# Altium PCB EDA-04211-V4_0_pcb.pcbdoc (part 6 of 12)
Units mm, origin at the board's own origin, x right, y up, seen from the top; angles counter-clockwise.
Board outline 304.8 x 128.5 mm, 14 copper layers (Top Layer, L2, L3GND, L4, L5GND, L6, L7GND, L8, L9GND, L10, L11GND, L12, L13GND, Bottom Layer), stack 4.06 mm thick; 143 components, 1224 nets, 5334 pads, 591 vias.
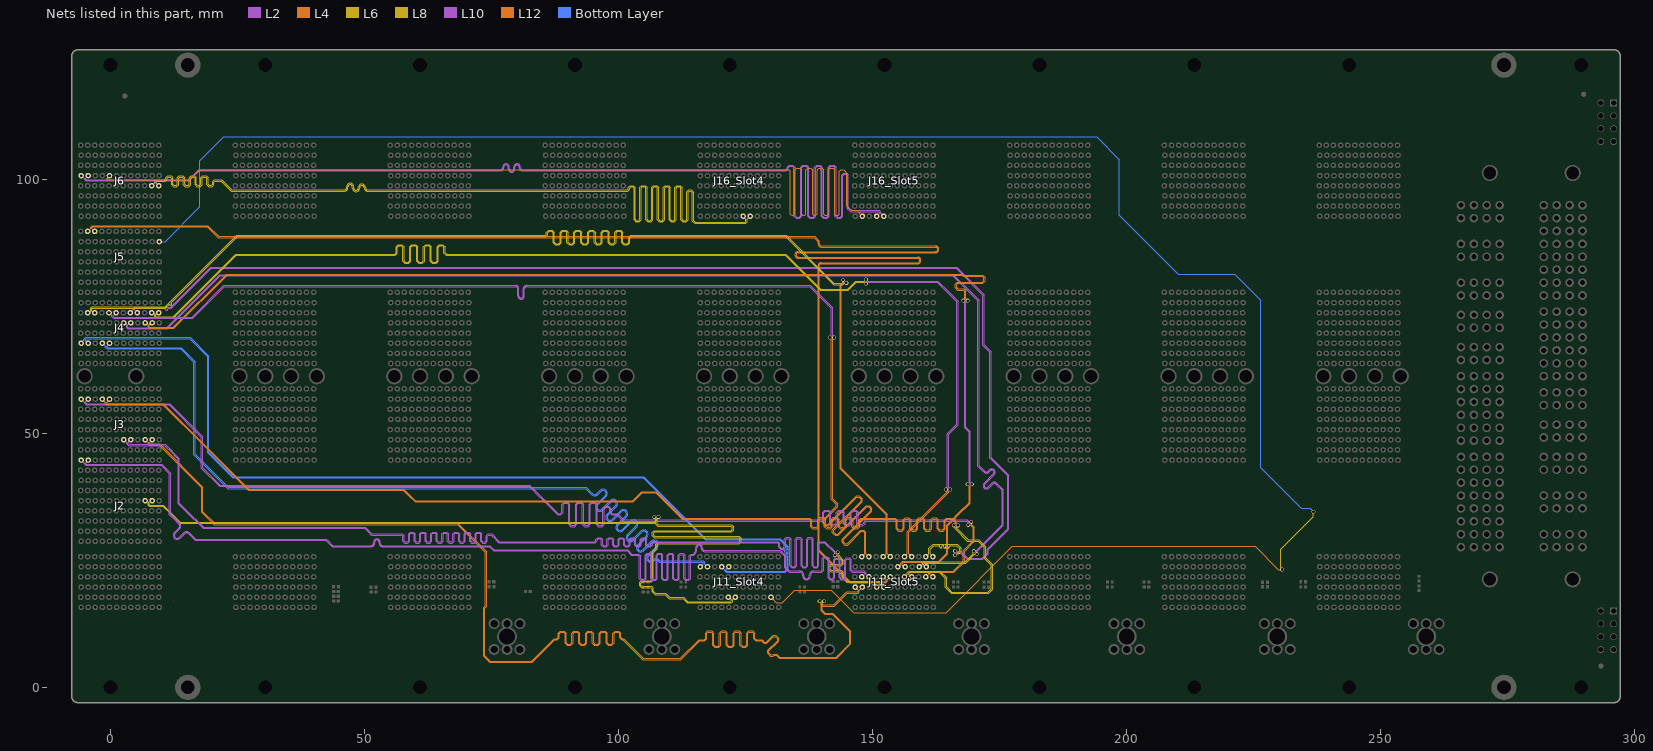
[diagram p18: the nets of this part, all layers, seen from the top]

## Via types
v1: diameter 0.75, hole 0.5, Top Layer to Bottom Layer, tented both sides, 549 vias
v2: diameter 0.85, hole 0.5, Top Layer to Bottom Layer, tented both sides, 32 vias
v3: diameter 1.3, hole 1, Top Layer to Bottom Layer, tented both sides, 10 vias

## Nets (pads, with @x,y where several pads share a name; then routed paths per layer and width w, separated by ;. In a path a pad name is that pad's centre, name@x,y a point inside that pad or via, vN(x,y) a via of type N, cw(c..) or ccw(c..) an arc to the next point about the centre after c; other vN are vias at no path point) (continued)
4_DIFF_14_N: J6.L4 J16_Slot4.H1 | length 205.5
  L8 w0.12: J6.L4@9.52,98.75 8.955,99.315 8.955,99.43 9.144,99.619 10.156,99.619 10.786,99.619 11.164,99.997 11.164,100.237 11.385,100.458 11.826,100.458 12.046,100.237 12.046,98.962 12.425,98.583 13.09,98.583 13.468,98.962 13.468,100.237 13.689,100.458 14.13,100.458 14.35,100.237 14.35,98.962 14.729,98.583 15.394,98.583 15.772,98.962 15.772,100.237 15.993,100.458 16.434,100.458 16.654,100.237 16.654,98.962 17.033,98.583 17.698,98.583 18.076,98.962 18.076,100.237 18.297,100.458 18.738,100.458 18.958,100.237 18.958,98.962 19.337,98.583 20.002,98.583 20.38,98.962 20.38,99.398 20.601,99.619 20.74,99.619 21.808,99.619 23.789,97.637 45.859,97.637 46.054,97.637 ccw(c46.054,98.348) 46.765,98.348 46.765,98.509 cw(c47.206,98.509) 47.647,98.509 47.647,98.285 ccw(c48.358,98.285) 49.069,98.285 49.069,98.348 cw(c49.51,98.348) 49.951,98.348 ccw(c50.662,98.348) 50.662,97.637 52.015,97.637 101.383,97.637 101.54,97.637 101.652,97.637 101.808,97.637 102.186,98.016 102.186,98.291 102.407,98.512 102.848,98.512 103.068,98.291 103.068,92.007 103.447,91.629 104.112,91.629 104.49,92.007 104.49,98.291 104.711,98.512 105.152,98.512 105.372,98.291 105.372,92.007 105.751,91.629 106.415,91.629 106.794,92.007 106.794,98.291 107.014,98.512 107.455,98.512 107.676,98.291 107.676,92.007 108.054,91.629 108.719,91.629 109.097,92.007 109.097,98.291 109.318,98.512 109.759,98.512 109.979,98.291 109.979,92.007 110.358,91.629 111.023,91.629 111.401,92.007 111.401,98.291 111.622,98.512 112.063,98.512 112.283,98.291 112.283,92.007 112.662,91.629 113.326,91.629 113.705,92.007 113.705,97.417 113.925,97.637 114.064,97.637 114.253,97.637 114.54,97.35 114.54,91.777 115.005,91.313 115.104,91.313 125.095,91.313 125.375,91.593 125.375,92.185 J16_Slot4.H1@125.94,92.75
4_DIFF_14_P: J6.K4 J16_Slot4.G1 | length 205.5
  L8 w0.12: J6.K4@8.12,98.75 8.685,99.315 8.685,99.542 9.032,99.889 10.156,99.889 10.674,99.889 10.894,100.109 10.894,100.349 11.273,100.728 11.938,100.728 12.316,100.349 12.316,99.073 12.537,98.853 12.978,98.853 13.198,99.073 13.198,100.349 13.577,100.728 14.242,100.728 14.62,100.349 14.62,99.073 14.841,98.853 15.282,98.853 15.502,99.073 15.502,100.349 15.881,100.728 16.546,100.728 16.924,100.349 16.924,99.073 17.145,98.853 17.586,98.853 17.806,99.073 17.806,100.349 18.185,100.728 18.85,100.728 19.228,100.349 19.228,99.073 19.449,98.853 19.89,98.853 20.11,99.073 20.11,99.51 20.489,99.889 20.74,99.889 21.92,99.889 23.901,97.907 45.859,97.907 46.054,97.907 ccw(c46.054,98.348) 46.495,98.348 46.495,98.509 cw(c47.206,98.509) 47.917,98.509 47.917,98.285 ccw(c48.358,98.285) 48.799,98.285 48.799,98.348 cw(c49.51,98.348) 50.221,98.348 ccw(c50.662,98.348) 50.662,97.907 52.015,97.907 101.272,97.907 101.54,97.907 101.696,97.907 101.917,98.128 101.917,98.403 102.295,98.782 102.96,98.782 103.338,98.403 103.338,92.119 103.559,91.899 104,91.899 104.22,92.119 104.22,98.403 104.599,98.782 105.263,98.782 105.642,98.403 105.642,92.119 105.862,91.899 106.303,91.899 106.524,92.119 106.524,98.403 106.902,98.782 107.567,98.782 107.946,98.403 107.946,92.119 108.166,91.899 108.607,91.899 108.828,92.119 108.828,98.403 109.206,98.782 109.871,98.782 110.249,98.403 110.249,92.119 110.47,91.899 110.911,91.899 111.131,92.119 111.131,98.403 111.51,98.782 112.174,98.782 112.553,98.403 112.553,92.119 112.773,91.899 113.214,91.899 113.435,92.119 113.435,97.529 113.814,97.907 113.953,97.907 114.064,97.907 114.364,97.907 114.81,97.462 114.81,91.889 115.116,91.583 115.216,91.583 124.983,91.583 125.105,91.705 125.105,92.185 J16_Slot4.G1@124.54,92.75
4_DIFF_15_N: J2.K5 J11_Slot4.F2 | length 203.9
  L8 w0.12: v1(107.042,33.564) 107.042,33.47 107.333,33.179 107.333,32.375 107.333,32.124 107.711,31.746 122.213,31.746 122.433,31.525 122.433,31.084 122.213,30.864 107.081,30.864 106.702,30.485 106.702,29.821 107.081,29.442 123.679,29.442 123.899,29.221 123.899,28.78 123.679,28.56 107.711,28.56 107.333,28.181 107.333,27.35 106.631,26.648 106.631,23.669 106.631,21.252 106.411,21.032 104.537,21.032 104.158,20.653 104.158,19.989 104.537,19.61 106.411,19.61 106.631,19.39 106.631,19.25 106.631,18.818 107.203,18.246 109.174,18.246 109.97,17.45 112.743,17.45 113.131,17.061 113.561,16.632 122.211,16.632 122.475,16.896 122.475,17.382 122.843,17.75 J11_Slot4.F2@123.04,17.75
  L6 w0.102: J2.K5@8.22,36.75 7.959,36.75 7.635,36.426 7.635,36.153 7.634,35.935 7.694,35.875 10.438,35.875 13.791,32.523 106.982,32.523 107.353,32.894 107.353,33.213 107.042,33.525 v1(107.042,33.564)
4_DIFF_15_P: J2.J5 J11_Slot4.E2 | length 203.8
  L8 w0.12: v1(107.894,33.564) 107.894,33.47 107.603,33.179 107.603,32.375 107.603,32.236 107.823,32.015 122.324,32.015 122.703,31.637 122.703,30.972 122.324,30.594 107.193,30.594 106.972,30.373 106.972,29.932 107.193,29.712 123.791,29.712 124.169,29.333 124.169,28.669 123.791,28.29 107.823,28.29 107.603,28.07 107.603,27.35 107.603,27.238 106.901,26.537 106.901,23.669 106.901,21.14 106.523,20.762 104.649,20.762 104.428,20.541 104.428,20.1 104.649,19.88 106.523,19.88 106.901,19.501 106.901,19.25 106.901,18.93 107.315,18.516 109.286,18.516 110.082,17.72 112.854,17.72 113.401,17.173 113.673,16.902 122.099,16.902 122.205,17.008 122.205,17.382 121.837,17.75 J11_Slot4.E2@121.64,17.75
  L6 w0.102: J2.J5@6.82,36.75 7.081,36.75 7.406,36.426 7.406,36.248 7.405,35.84 7.599,35.646 10.344,35.646 11.44,34.55 11.602,34.388 13.696,32.294 107.077,32.294 107.582,32.799 107.582,33.213 107.894,33.525 v1(107.894,33.564)
4_MGT_Rx_N: J4.E3 J11_Slot4.B5 | length 185.4
  Bottom Layer w0.15: J4.E3@-0.18,67.75 -0.754,67.176 -0.754,67.067 -0.563,66.876 11.78,66.876 13.902,66.876 16.705,64.072 16.705,45.885 23.24,39.351 26.512,39.351 87.752,39.351 93.699,39.351 94.127,38.924 94.306,38.745 94.942,38.109 ccw(c95.355,38.52) 95.768,38.108 96.412,38.753 ; 96.413,38.753 cw(c97.003,38.163) 97.593,38.754 cw(c97.003,38.163) 97.593,37.573 95.925,35.905 ccw(c96.339,35.494) 96.752,35.083 98.417,36.748 ; 97.931,33.078 cw(c98.344,33.49) 97.93,33.901 99.597,35.568 ccw(c99.008,36.159) 99.598,36.749 ccw(c99.008,36.159) 98.417,36.748 ; 97.932,33.077 ccw(c98.344,33.49) 98.756,33.078 ; 98.757,33.078 100.422,34.743 ; 99.936,31.073 cw(c100.348,31.485) 99.935,31.896 101.602,33.563 ccw(c101.013,34.154) 101.603,34.744 ccw(c101.013,34.154) 100.422,34.744 ; 99.937,31.072 ccw(c100.348,31.485) 100.761,31.073 102.427,32.738 ; 101.94,29.068 cw(c102.353,29.48) 101.94,29.891 103.607,31.558 ccw(c103.018,32.149) 103.608,32.739 ccw(c103.018,32.149) 102.427,32.739 ; 101.941,29.067 ccw(c102.353,29.48) 102.766,29.068 ; 102.766,29.068 104.431,30.734 cw(c105.022,30.144) 105.612,30.734 cw(c105.022,30.144) 105.612,29.554 ; 103.945,27.063 cw(c104.358,27.475) 103.945,27.886 105.612,29.553 ; 103.946,27.062 ccw(c104.358,27.475) 104.771,27.063 106.436,28.729 ; 105.95,25.059 cw(c106.363,25.47) 105.949,25.882 107.617,27.549 ccw(c107.027,28.14) 107.617,28.73 ccw(c107.027,28.14) 106.437,28.729 ; 105.951,25.058 ccw(c106.363,25.47) 106.775,25.059 ; 106.776,25.059 106.793,25.076 cw(c107.384,24.487) 107.935,25.114 107.937,25.114 107.973,25.078 cw(c107.384,24.487) 107.974,25.076 ; 107.974,25.076 108.011,25.04 108.116,24.935 108.125,24.926 116.691,24.926 116.966,24.651 116.966,24.268 117.483,23.75 J11_Slot4.B5@117.54,23.75
4_MGT_Rx_P: J4.D3 J11_Slot4.A5 | length 185.4
  Bottom Layer w0.15: J4.D3@-1.58,67.75 -1.006,67.176 -1.006,66.963 -0.667,66.624 11.78,66.624 13.798,66.624 16.454,63.968 16.454,45.781 23.135,39.1 26.408,39.1 87.752,39.099 93.595,39.1 93.949,38.746 94.091,38.604 ccw(c94.18,38.693) 94.092,38.603 94.764,37.931 ccw(c95.355,38.52) 95.946,37.931 96.592,38.577 cw(c97.003,38.163) 97.414,38.577 ; 95.749,36.085 ccw(c96.339,35.494) 96.93,34.905 98.597,36.572 cw(c99.008,36.159) 99.419,36.572 cw(c99.008,36.159) 99.42,36.571 cw(c99.008,36.159) 99.421,36.57 cw(c99.008,36.159) 99.42,35.746 97.754,34.081 ccw(c98.344,33.49) 97.753,32.899 ccw(c98.344,33.49) 98.934,32.9 ; 95.75,36.085 97.415,37.75 ccw(c97.003,38.163) 97.416,38.575 ccw(c97.003,38.163) 97.415,38.576 ; 98.934,32.9 100.602,34.567 cw(c101.013,34.154) 101.424,34.567 cw(c101.013,34.154) 101.425,34.566 cw(c101.013,34.154) 101.426,34.565 cw(c101.013,34.154) 101.424,33.741 99.759,32.076 ; 99.759,32.075 ccw(c100.348,31.485) 99.758,30.895 ccw(c100.348,31.485) 100.939,30.895 102.606,32.562 cw(c103.018,32.149) 103.429,32.562 cw(c103.018,32.149) 103.43,32.561 cw(c103.018,32.149) 103.431,32.56 cw(c103.018,32.149) 103.429,31.736 ; 102.944,28.89 cw(c102.353,29.48) 101.763,28.89 cw(c102.353,29.48) 101.763,30.07 103.429,31.736 ; 102.944,28.89 104.611,30.558 cw(c105.022,30.144) 105.434,30.557 cw(c105.022,30.144) 105.435,30.557 ; 103.768,28.066 ccw(c104.358,27.475) 103.768,26.885 ccw(c104.358,27.475) 104.949,26.886 106.616,28.553 cw(c107.027,28.14) 107.438,28.553 cw(c107.027,28.14) 107.439,28.552 cw(c107.027,28.14) 107.44,28.551 cw(c107.027,28.14) 107.439,27.727 105.773,26.061 ; 103.769,28.066 105.434,29.731 ccw(c105.022,30.144) 105.435,30.556 ; 105.773,26.061 ccw(c106.363,25.47) 105.773,24.88 ccw(c106.363,25.47) 106.953,24.881 106.971,24.898 cw(c107.384,24.487) 107.797,24.898 107.833,24.862 107.938,24.757 108.021,24.674 116.587,24.674 116.714,24.547 116.714,24.268 116.197,23.75 J11_Slot4.A5@116.14,23.75 ; 97.415,38.576 ccw(c97.003,38.163) 97.414,38.577 ; 105.435,30.556 ccw(c105.022,30.144) 105.435,30.557
4_MGT_Tx_N: J4.B3 J11_Slot4.E5 | length 186.4
  Bottom Layer w0.15: J4.B3@-4.38,67.75 -4.954,68.324 -4.954,68.43 -4.754,68.63 11.983,68.63 15.601,68.631 19.121,65.111 19.121,46.162 24.05,41.233 28.491,41.233 87.447,41.233 104.898,41.233 117.099,29.032 117.202,29.032 131.768,29.032 133.193,27.607 133.193,27.273 133.188,27.229 133.173,27.186 133.15,27.148 133.118,27.117 133.08,27.093 133.038,27.078 132.993,27.073 132.803,27.073 132.758,27.068 132.716,27.053 132.678,27.03 132.646,26.998 132.622,26.96 132.608,26.918 132.603,26.873 132.608,26.829 132.622,26.786 132.646,26.748 132.678,26.717 132.716,26.693 132.758,26.678 132.803,26.673 132.993,26.673 133.038,26.668 133.08,26.653 133.118,26.63 133.15,26.598 133.173,26.56 133.188,26.518 133.193,26.473 133.188,26.429 133.173,26.386 133.15,26.348 133.118,26.317 133.08,26.293 133.038,26.278 132.993,26.273 132.803,26.273 132.758,26.268 132.716,26.253 132.678,26.23 132.646,26.198 132.622,26.16 132.608,26.118 132.603,26.073 132.608,26.029 132.622,25.986 132.646,25.948 132.678,25.917 132.716,25.893 132.758,25.878 132.803,25.873 132.993,25.873 133.038,25.868 133.08,25.853 133.118,25.83 133.15,25.798 133.173,25.76 133.188,25.718 133.193,25.673 133.193,23.317 132.759,22.883 121.357,22.883 121.166,23.074 121.166,23.176 J11_Slot4.E5@121.74,23.75
4_MGT_Tx_P: J4.A3 J11_Slot4.D5 | length 186.4
  Bottom Layer w0.15: J4.A3@-5.78,67.75 -5.206,68.324 -5.206,68.535 -4.858,68.882 11.983,68.882 15.705,68.882 19.372,65.215 19.372,46.266 24.154,41.485 28.595,41.485 87.447,41.485 105.002,41.485 117.203,29.284 131.873,29.284 133.445,27.711 133.445,27.273 133.445,23.213 132.863,22.631 121.253,22.631 120.914,22.97 120.914,23.176 J11_Slot4.D5@120.34,23.75
4_SERVMOD: J5.L5 J11_Slot4.K2 | length 422.6
  L8 w0.102: v1(230.652,23.201) 230.652,23.349 230.353,23.648 230.353,27.139 236.824,33.611 v1(236.824,34.58)
  L12 w0.102: J11_Slot4.K2@130.04,17.75 131.094,16.696 132.275,16.696 134.665,19.086 141.904,19.086 146.301,14.689 164.51,14.689 177.566,27.745 225.343,27.745 229.887,23.201 v1(230.652,23.201)
  Bottom Layer w0.102: J5.L5@9.62,87.75 10.772,87.75 17.62,94.598 17.62,103.65 22.32,108.35 27.42,108.35 194.12,108.35 198.62,103.85 198.62,92.957 210.227,81.35 221.32,81.35 226.477,76.193 226.477,43.2 234.412,35.265 236.139,35.265 v1(236.824,34.58)
5_CLK_N: J5.C6 J11_Slot5.F4 | length 317.9
  L12 w0.102: J5.C6@-3.08,89.75 -3.665,90.336 -3.665,90.442 -3.447,90.661 19.09,90.661 21.222,88.529 138.527,88.529 139.313,87.743 139.313,87.488 139.313,87.323 ccw(c139.974,87.323) 139.974,86.662 162.435,86.662 cw(c162.435,86.23) 162.867,86.23 cw(c162.435,86.23) 162.435,85.798 135.402,85.798 ccw(c135.402,85.137) 134.741,85.137 ccw(c135.402,85.137) 135.402,84.476 158.9,84.476 cw(c158.9,84.044) 159.332,84.044 cw(c158.9,84.044) 158.9,83.612 139.974,83.612 ccw(c139.974,82.951) 139.313,82.951 139.313,81.336 139.313,26.859 145.562,20.61 152.635,20.61 152.934,20.909 152.934,21.164 J11_Slot5.F4@153.52,21.75
5_CLK_P: J5.B6 J11_Slot5.E4 | length 317.9
  L12 w0.102: J5.B6@-4.48,89.75 -3.895,90.336 -3.895,90.537 -3.541,90.89 19.185,90.89 21.317,88.758 138.621,88.758 139.542,87.837 139.542,87.488 139.542,87.323 ccw(c139.974,87.323) 139.974,86.891 162.435,86.891 cw(c162.435,86.23) 163.096,86.23 cw(c162.435,86.23) 162.435,85.569 135.402,85.569 ccw(c135.402,85.137) 134.97,85.137 ccw(c135.402,85.137) 135.402,84.705 158.9,84.705 cw(c158.9,84.044) 159.561,84.044 cw(c158.9,84.044) 158.9,83.383 139.974,83.383 ccw(c139.974,82.951) 139.542,82.951 139.542,81.336 139.542,26.954 145.657,20.839 152.54,20.839 152.705,21.004 152.705,21.164 J11_Slot5.E4@152.12,21.75
5_DIFF_0_N: J3.H3 J11_Slot5.E3 | length 245.3
  L2 w0.102: J3.H3@4.02,48.75 3.434,48.165 3.434,48.063 3.674,47.824 9.418,47.824 10.799,47.823 13.584,45.038 13.584,36.256 14.777,35.063 18.333,31.507 50.16,31.507 51.252,30.414 51.455,30.211 57.056,30.211 57.474,30.211 57.824,29.861 57.824,28.843 58.04,28.627 58.472,28.627 58.688,28.843 58.688,30.22 59.038,30.57 59.66,30.57 60.01,30.22 60.01,28.843 60.226,28.627 60.658,28.627 60.874,28.843 60.874,30.22 61.224,30.57 61.846,30.57 62.196,30.22 62.196,28.843 62.412,28.627 62.844,28.627 63.06,28.843 63.06,30.22 63.41,30.57 64.032,30.57 64.382,30.22 64.382,28.843 64.598,28.627 65.03,28.627 65.246,28.843 65.246,30.22 65.596,30.57 66.218,30.57 66.568,30.22 66.568,28.843 66.784,28.627 67.216,28.627 67.432,28.843 67.432,30.22 67.782,30.57 68.404,30.57 68.754,30.22 68.754,28.843 68.97,28.627 69.402,28.627 69.618,28.843 69.618,30.22 69.968,30.57 70.59,30.57 70.94,30.22 70.94,28.843 71.156,28.627 71.588,28.627 71.804,28.843 71.804,30.22 72.154,30.57 72.776,30.57 73.126,30.22 73.126,28.843 73.342,28.627 73.774,28.627 73.99,28.843 73.99,29.861 74.34,30.211 74.553,30.211 75.071,30.211 76.569,28.713 95.224,28.713 95.342,28.713 95.558,28.929 95.558,29.126 95.908,29.476 96.53,29.476 96.88,29.126 96.88,28.096 97.096,27.88 97.528,27.88 97.744,28.096 97.744,29.126 98.094,29.476 98.716,29.476 99.066,29.126 99.066,28.096 99.282,27.88 99.714,27.88 99.93,28.096 99.93,29.126 100.28,29.476 100.902,29.476 101.252,29.126 101.252,28.096 101.468,27.88 101.9,27.88 102.116,28.096 102.116,29.126 102.466,29.476 103.088,29.476 103.438,29.126 103.438,28.096 103.654,27.88 104.086,27.88 104.302,28.096 104.302,29.126 104.652,29.476 105.274,29.476 105.624,29.126 105.624,28.096 105.84,27.88 106.272,27.88 106.488,28.096 106.488,28.362 106.838,28.713 108.069,28.713 131.057,28.713 131.456,28.713 131.806,28.362 131.806,27.634 132.022,27.418 132.454,27.418 132.67,27.634 132.67,29.176 133.02,29.526 133.642,29.526 133.992,29.176 133.992,23.985 134.208,23.769 134.64,23.769 134.856,23.985 134.856,29.176 135.206,29.526 135.828,29.526 136.178,29.176 136.178,23.985 136.394,23.769 136.826,23.769 137.042,23.985 137.042,29.176 137.392,29.526 138.014,29.526 138.364,29.176 138.364,23.985 138.58,23.769 139.012,23.769 139.228,23.985 139.228,28.362 139.578,28.713 139.791,28.713 140.657,28.713 142.711,26.659 143.089,26.659 v1(143.172,26.576)
  L8 w0.12: v1(143.172,26.576) 143.227,26.521 143.227,26.092 144.292,25.027 144.292,24.799 144.292,24.324 143.913,23.945 141.913,23.945 141.692,23.725 141.692,23.284 141.913,23.063 143.913,23.063 144.292,22.685 144.292,22.434 144.292,21.687 144.706,21.273 145.059,20.92 151.282,20.92 151.655,20.547 151.655,20.315 J11_Slot5.E3@152.22,19.75
5_DIFF_0_P: J3.G3 J11_Slot5.D3 | length 245.3
  L2 w0.102: J3.G3@2.62,48.75 3.206,48.165 3.206,47.968 3.579,47.594 10.704,47.594 11.298,47.001 11.46,46.839 13.355,44.944 13.355,36.162 14.615,34.901 14.777,34.739 18.239,31.278 50.065,31.278 50.928,30.414 51.09,30.252 51.36,29.982 57.056,29.982 57.379,29.982 57.595,29.766 57.595,28.748 57.945,28.398 58.567,28.398 58.917,28.748 58.917,30.125 59.133,30.341 59.565,30.341 59.781,30.125 59.781,28.748 60.131,28.398 60.753,28.398 61.103,28.748 61.103,30.125 61.319,30.341 61.751,30.341 61.967,30.125 61.967,28.748 62.317,28.398 62.939,28.398 63.289,28.748 63.289,30.125 63.505,30.341 63.937,30.341 64.153,30.125 64.153,28.748 64.503,28.398 65.125,28.398 65.475,28.748 65.475,30.125 65.691,30.341 66.123,30.341 66.339,30.125 66.339,28.748 66.689,28.398 67.311,28.398 67.661,28.748 67.661,30.125 67.877,30.341 68.309,30.341 68.525,30.125 68.525,28.748 68.875,28.398 69.497,28.398 69.847,28.748 69.847,30.125 70.063,30.341 70.495,30.341 70.711,30.125 70.711,28.748 71.061,28.398 71.683,28.398 72.033,28.748 72.033,30.125 72.249,30.341 72.681,30.341 72.897,30.125 72.897,28.748 73.247,28.398 73.869,28.398 74.219,28.748 74.219,29.766 74.435,29.982 74.553,29.982 74.976,29.982 75.737,29.221 75.899,29.059 76.474,28.484 95.224,28.484 95.437,28.484 95.787,28.834 95.787,29.031 96.003,29.247 96.435,29.247 96.651,29.031 96.651,28.001 97.001,27.651 97.623,27.651 97.973,28.001 97.973,29.031 98.189,29.247 98.621,29.247 98.837,29.031 98.837,28.001 99.187,27.651 99.809,27.651 100.159,28.001 100.159,29.031 100.375,29.247 100.807,29.247 101.023,29.031 101.023,28.001 101.373,27.651 101.995,27.651 102.345,28.001 102.345,29.031 102.561,29.247 102.993,29.247 103.209,29.031 103.209,28.001 103.559,27.651 104.181,27.651 104.531,28.001 104.531,29.031 104.747,29.247 105.179,29.247 105.395,29.031 105.395,28.001 105.745,27.651 106.367,27.651 106.717,28.001 106.717,28.268 106.933,28.484 108.069,28.484 131.057,28.484 131.361,28.484 131.577,28.268 131.577,27.54 131.927,27.189 132.549,27.189 132.899,27.54 132.899,29.081 133.115,29.297 133.547,29.297 133.763,29.081 133.763,23.891 134.113,23.54 134.735,23.54 135.085,23.891 135.085,29.081 135.301,29.297 135.733,29.297 135.949,29.081 135.949,23.891 136.299,23.54 136.921,23.54 137.271,23.891 137.271,29.081 137.487,29.297 137.919,29.297 138.135,29.081 138.135,23.891 138.485,23.54 139.107,23.54 139.457,23.891 139.457,28.268 139.673,28.484 139.791,28.484 140.563,28.484 142.553,26.494 142.553,25.991 v1(142.58,25.963)
  L8 w0.12: v1@142.552,25.956 142.607,25.901 143.036,25.901 144.022,24.915 144.022,24.799 144.022,24.436 143.802,24.215 141.801,24.215 141.422,23.837 141.422,23.172 141.801,22.793 143.802,22.793 144.022,22.573 144.022,22.434 144.022,21.575 144.515,21.082 144.947,20.65 151.17,20.65 151.385,20.435 151.385,20.315 J11_Slot5.D3@150.82,19.75
5_DIFF_1_N: J3.K3 J11_Slot5.B3 | length 244.9
  L4 w0.102: v1(139.612,16.952) 139.936,16.628 139.936,16.219 140.155,16 142.469,16 145.031,18.562 147.206,18.562 147.435,18.791 147.435,19.165 J11_Slot5.B3@148.02,19.75
  L12 w0.102: J3.K3@8.22,48.75 7.635,48.165 7.635,48.002 7.711,47.925 9.663,47.925 18.206,39.382 18.206,34.564 20.501,32.269 68.422,32.269 74.036,26.655 74.036,15.952 73.693,15.61 73.693,6.179 74.743,5.129 82.929,5.129 87.379,9.579 87.742,9.579 87.861,9.579 88.14,9.858 88.14,10.627 88.554,11.041 89.302,11.041 89.716,10.627 89.716,8.809 89.995,8.529 90.554,8.529 90.834,8.809 90.834,10.627 91.248,11.041 91.996,11.041 92.41,10.627 92.41,8.809 92.689,8.529 93.248,8.529 93.528,8.809 93.528,10.627 93.942,11.041 94.69,11.041 95.104,10.627 95.104,8.809 95.383,8.529 95.942,8.529 96.222,8.809 96.222,10.627 96.636,11.041 97.384,11.041 97.798,10.627 97.798,8.809 98.077,8.529 98.636,8.529 98.916,8.809 98.916,10.627 99.33,11.041 100.078,11.041 100.492,10.627 100.492,9.858 100.771,9.579 100.986,9.579 101.053,9.579 104.919,5.713 112.215,5.713 115.881,9.379 116.8,9.379 116.918,9.379 117.198,9.658 117.198,10.698 117.611,11.112 118.36,11.112 118.774,10.698 118.774,8.36 119.053,8.081 119.612,8.081 119.892,8.36 119.892,10.698 120.305,11.112 121.054,11.112 121.468,10.698 121.468,8.36 121.747,8.081 122.306,8.081 122.586,8.36 122.586,10.698 122.999,11.112 123.748,11.112 124.162,10.698 124.162,8.36 124.441,8.081 125,8.081 125.28,8.36 125.28,10.698 125.693,11.112 126.442,11.112 126.856,10.698 126.856,9.658 127.135,9.379 128.278,9.379 128.411,9.246 128.644,9.013 128.728,8.929 129.123,8.929 130.432,10.238 131.017,10.238 131.547,9.709 131.547,9.124 129.597,7.174 129.597,6.779 129.992,6.384 130.388,6.384 130.538,6.534 131.123,6.534 131.716,5.942 132.105,5.942 142.848,5.942 145.54,8.634 145.54,10.92 142.051,14.409 140.638,14.409 139.936,15.11 139.936,16.266 139.936,16.614 139.612,16.938 v1(139.612,16.952)
5_DIFF_1_P: J3.J3 J11_Slot5.A3 | length 244.9
  L4 w0.102: v1(140.489,16.952) 140.165,16.628 140.165,16.314 140.25,16.229 142.374,16.229 144.936,18.791 147.111,18.791 147.205,18.885 147.205,19.165 J11_Slot5.A3@146.62,19.75
  L12 w0.102: J3.J3@6.82,48.75 7.406,48.164 7.406,47.907 7.617,47.696 9.568,47.696 17.977,39.287 17.977,34.469 20.407,32.04 68.327,32.04 73.807,26.56 73.807,16.047 73.464,15.704 73.464,6.085 74.649,4.9 83.024,4.9 87.474,9.35 87.742,9.35 87.955,9.35 88.369,9.764 88.369,10.532 88.648,10.812 89.207,10.812 89.487,10.532 89.487,8.714 89.901,8.3 90.649,8.3 91.063,8.714 91.063,10.532 91.342,10.812 91.901,10.812 92.181,10.532 92.181,8.714 92.595,8.3 93.343,8.3 93.757,8.714 93.757,10.532 94.036,10.812 94.595,10.812 94.875,10.532 94.875,8.714 95.289,8.3 96.037,8.3 96.451,8.714 96.451,10.532 96.73,10.812 97.289,10.812 97.569,10.532 97.569,8.714 97.983,8.3 98.731,8.3 99.145,8.714 99.145,10.532 99.424,10.812 99.983,10.812 100.263,10.532 100.263,9.764 100.677,9.35 100.958,9.35 100.986,9.322 104.824,5.484 112.31,5.484 115.976,9.15 116.8,9.15 117.013,9.15 117.427,9.564 117.427,10.603 117.706,10.883 118.265,10.883 118.545,10.603 118.545,8.265 118.958,7.852 119.707,7.852 120.121,8.265 120.121,10.603 120.4,10.883 120.959,10.883 121.239,10.603 121.239,8.265 121.652,7.852 122.401,7.852 122.815,8.265 122.815,10.603 123.094,10.883 123.653,10.883 123.933,10.603 123.933,8.265 124.346,7.852 125.095,7.852 125.509,8.265 125.509,10.603 125.788,10.883 126.347,10.883 126.627,10.603 126.627,9.564 127.04,9.15 128.183,9.15 128.411,8.922 128.483,8.851 128.633,8.7 129.218,8.7 130.527,10.009 130.922,10.009 131.318,9.614 131.318,9.219 129.368,7.269 129.368,6.684 129.898,6.155 130.482,6.155 130.633,6.305 131.028,6.305 131.621,5.713 131.876,5.713 142.942,5.713 145.769,8.539 145.769,11.015 145.702,11.082 142.146,14.638 140.732,14.638 140.165,15.205 140.165,16.171 140.165,16.614 140.489,16.938 v1(140.489,16.952)
5_DIFF_2_N: J3.B1 J11_Slot5.C4 | length 247.8
  L2 w0.102: J3.B1@-4.38,44.75 -4.965,44.165 -4.965,44.093 -4.784,43.912 10.062,43.912 11.831,42.143 11.831,34.123 12.83,33.123 13.645,32.308 cw(c13.088,31.751) 13.645,31.194 12.751,30.3 ccw(c13.147,29.905) 12.752,29.51 ccw(c13.147,29.905) 13.542,29.51 14.436,30.403 cw(c14.993,29.846) 15.55,30.403 15.667,30.286 16.758,29.196 42.463,29.196 42.844,28.814 43.733,27.926 51.201,27.926 51.367,27.926 ccw(c51.367,28.358) 51.799,28.358 51.799,28.563 cw(c52.46,28.563) 52.46,29.224 cw(c52.46,28.563) 53.121,28.563 53.121,28.358 ccw(c53.553,28.358) 53.553,27.926 54.48,27.926 74.696,27.926 75.102,27.519 75.534,27.087 101.803,27.087 102.64,26.25 103.547,26.25 104.022,26.25 104.372,25.9 104.372,21.499 104.588,21.283 105.02,21.283 105.236,21.499 105.236,26.042 105.586,26.392 106.208,26.392 106.558,26.042 106.558,21.499 106.774,21.283 107.206,21.283 107.422,21.499 107.422,26.042 107.772,26.392 108.394,26.392 108.744,26.042 108.744,21.499 108.96,21.283 109.392,21.283 109.608,21.499 109.608,26.042 109.958,26.392 110.58,26.392 110.93,26.042 110.93,21.499 111.146,21.283 111.578,21.283 111.794,21.499 111.794,26.022 112.144,26.372 112.766,26.372 113.116,26.022 113.116,21.499 113.332,21.283 113.764,21.283 113.98,21.499 113.98,25.9 114.33,26.25 114.543,26.25 114.74,26.25 114.895,26.405 114.98,26.49 ccw(c114.4,27.068) 114.982,26.492 ccw(c114.401,27.068) 115.219,27.068 115.219,27.53 cw(c115.88,27.53) 115.88,28.191 cw(c115.88,27.53) 116.541,27.53 116.541,27.392 ccw(c116.973,27.392) 116.973,26.96 120.261,26.96 131.856,26.96 132.94,25.876 132.94,23.65 133.633,22.957 133.684,22.906 135.696,22.906 cw(c135.696,22.118) 136.484,22.118 136.484,21.949 ccw(c137.043,21.949) 137.043,21.39 ccw(c137.043,21.949) 137.602,21.949 137.602,22.118 cw(c138.39,22.118) 138.39,22.906 138.556,22.906 139.84,22.906 139.958,22.906 140.174,23.122 140.174,25.371 140.524,25.721 141.146,25.721 141.496,25.371 141.496,21.632 141.712,21.416 142.144,21.416 142.36,21.632 142.36,25.085 142.71,25.435 143.332,25.435 143.682,25.085 143.682,21.632 143.898,21.416 144.33,21.416 144.546,21.632 144.546,25.125 144.896,25.475 145.518,25.475 145.868,25.125 145.868,23.122 146.084,22.906 146.482,22.906 148.405,22.906 148.735,22.577 148.735,22.336 J11_Slot5.C4@149.32,21.75
5_DIFF_2_P: J3.A1 J11_Slot5.B4 | length 247.8
  L2 w0.102: J3.A1@-5.78,44.75 -5.195,44.165 -5.195,43.999 -4.879,43.683 9.967,43.683 11.602,42.048 11.602,34.028 12.668,32.962 13.484,32.146 cw(c13.088,31.751) 13.484,31.356 12.591,30.463 ; 12.59,30.462 ccw(c13.147,29.905) 12.59,29.348 ccw(c13.147,29.905) 13.704,29.348 14.598,30.241 cw(c14.993,29.846) 15.388,30.241 15.505,30.124 16.663,28.967 42.368,28.967 42.521,28.814 42.682,28.652 43.638,27.697 51.201,27.697 51.367,27.697 ccw(c51.367,28.358) 52.028,28.358 52.028,28.563 cw(c52.46,28.563) 52.46,28.995 cw(c52.46,28.563) 52.892,28.563 52.892,28.358 ccw(c53.553,28.358) 53.553,27.697 54.48,27.697 74.601,27.697 74.779,27.519 74.94,27.357 75.439,26.858 101.708,26.858 102.545,26.021 103.547,26.021 103.927,26.021 104.143,25.805 104.143,21.404 104.493,21.054 105.115,21.054 105.465,21.404 105.465,25.947 105.681,26.163 106.113,26.163 106.329,25.947 106.329,21.404 106.679,21.054 107.301,21.054 107.651,21.404 107.651,25.947 107.867,26.163 108.299,26.163 108.515,25.947 108.515,21.404 108.865,21.054 109.487,21.054 109.837,21.404 109.837,25.947 110.053,26.163 110.485,26.163 110.701,25.947 110.701,21.404 111.051,21.054 111.673,21.054 112.023,21.404 112.023,25.927 112.239,26.143 112.671,26.143 112.887,25.927 112.887,21.404 113.237,21.054 113.859,21.054 114.209,21.404 114.209,25.805 114.425,26.021 114.543,26.021 114.835,26.021 114.895,26.081 115.143,26.329 ; 115.144,26.33 ccw(c114.401,27.068) 115.448,27.068 115.448,27.53 cw(c115.88,27.53) 115.88,27.962 cw(c115.88,27.53) 116.312,27.53 116.312,27.392 ccw(c116.973,27.392) 116.973,26.731 120.261,26.731 131.761,26.731 132.711,25.782 132.711,23.555 133.589,22.677 133.633,22.677 135.696,22.677 cw(c135.696,22.118) 136.255,22.118 136.255,21.949 ccw(c137.043,21.949) 137.043,21.161 ccw(c137.043,21.949) 137.831,21.949 137.831,22.118 cw(c138.39,22.118) 138.39,22.677 138.556,22.677 139.84,22.677 140.053,22.677 140.403,23.027 140.403,25.276 140.619,25.492 141.051,25.492 141.267,25.276 141.267,21.537 141.617,21.187 142.239,21.187 142.589,21.537 142.589,24.99 142.805,25.206 143.237,25.206 143.453,24.99 143.453,21.537 143.803,21.187 144.425,21.187 144.775,21.537 144.775,25.03 144.991,25.246 145.423,25.246 145.639,25.03 145.639,23.027 145.989,22.677 146.482,22.677 148.31,22.677 148.505,22.482 148.505,22.336 J11_Slot5.B4@147.92,21.75
5_DIFF_3_N: J3.B7 J11_Slot5.L4 | length 247.5
  L10 w0.102: J3.B7@-4.38,56.75 -4.965,56.165 -4.965,56.108 -4.682,55.825 11.662,55.825 18.156,49.331 18.156,43.209 21.578,39.787 82.527,39.787 88.135,34.179 88.48,34.179 88.598,34.179 88.878,34.458 88.878,36.051 89.292,36.465 90.04,36.465 90.454,36.051 90.454,32.172 90.733,31.893 91.292,31.893 91.572,32.172 91.572,36.051 91.986,36.465 92.734,36.465 93.148,36.051 93.148,32.172 93.427,31.893 93.986,31.893 94.266,32.172 94.266,36.051 94.68,36.465 95.428,36.465 95.842,36.051 95.842,32.172 96.121,31.893 96.68,31.893 96.96,32.172 96.96,35.282 97.374,35.696 98.122,35.696 98.536,35.282 98.536,34.458 98.815,34.179 99.431,34.179 99.835,34.179 101.059,32.954 139.832,32.954 139.951,32.954 140.23,33.234 140.23,34.461 140.644,34.874 141.392,34.874 141.806,34.461 141.806,32.339 142.086,32.06 142.645,32.06 142.924,32.339 142.924,34.461 143.338,34.874 144.086,34.874 144.5,34.461 144.5,32.339 144.779,32.06 145.339,32.06 145.618,32.339 145.618,34.461 146.032,34.874 146.78,34.874 147.194,34.461 147.194,32.339 147.473,32.06 148.032,32.06 148.312,32.339 148.312,32.541 148.726,32.954 149.087,32.954 168.639,32.954 168.707,32.887 168.742,32.852 168.984,32.61 169.424,32.61 v1(169.452,32.582)
  L12 w0.102: J11_Slot5.L4@161.92,21.75 161.335,22.336 161.335,22.451 161.51,22.626 164.12,22.626 166.02,22.626 168.138,24.744 168.138,26.814 170.049,28.725 170.049,31.545 169.749,31.845 169.48,32.114 169.48,32.554 v1(169.452,32.582)
5_DIFF_3_P: J3.A7 J11_Slot5.K4 | length 247.5
  L10 w0.102: J3.A7@-5.78,56.75 -5.195,56.165 -5.195,56.013 -4.777,55.595 11.567,55.595 17.927,49.236 17.927,43.114 21.483,39.558 82.432,39.558 84.54,37.45 84.702,37.288 88.04,33.95 88.48,33.95 88.693,33.95 89.107,34.364 89.107,35.957 89.386,36.236 89.945,36.236 90.225,35.957 90.225,32.078 90.639,31.664 91.387,31.664 91.801,32.078 91.801,35.957 92.08,36.236 92.639,36.236 92.919,35.957 92.919,32.078 93.333,31.664 94.081,31.664 94.495,32.078 94.495,35.957 94.774,36.236 95.333,36.236 95.613,35.957 95.613,32.078 96.027,31.664 96.775,31.664 97.189,32.078 97.189,35.187 97.468,35.467 98.027,35.467 98.307,35.187 98.307,34.364 98.721,33.95 99.431,33.95 99.74,33.95 99.902,33.788 100.965,32.725 139.832,32.725 140.045,32.725 140.459,33.139 140.459,34.366 140.739,34.645 141.298,34.645 141.577,34.366 141.577,32.244 141.991,31.831 142.739,31.831 143.153,32.244 143.153,34.366 143.433,34.645 143.992,34.645 144.271,34.366 144.271,32.244 144.685,31.831 145.433,31.831 145.847,32.244 145.847,34.366 146.126,34.645 146.685,34.645 146.965,34.366 146.965,32.244 147.379,31.831 148.127,31.831 148.541,32.244 148.541,32.446 148.82,32.725 149.087,32.725 168.545,32.725 168.647,32.623 168.822,32.448 168.822,32.007 v1(168.85,31.98)
  L12 w0.102: J11_Slot5.K4@160.52,21.75 161.105,22.336 161.105,22.546 161.415,22.855 165.925,22.855 167.909,24.839 167.909,26.909 169.82,28.82 169.82,31.45 169.318,31.952 168.877,31.952 v1(168.85,31.98)
5_DIFF_4_N: J3.E7 J11_Slot5.I4 | length 245.7
  L4 w0.102: J3.E7@-0.18,56.75 -0.765,56.165 -0.765,55.925 -0.691,55.85 10.431,55.85 27.256,39.025 57.748,39.025 60.053,36.72 102.845,36.72 104.643,38.517 107.453,38.517 111.92,34.05 112.691,33.279 137.247,33.279 137.685,33.279 138.099,32.865 138.099,31.749 138.378,31.47 138.937,31.47 139.217,31.749 139.217,33.029 139.631,33.442 140.379,33.442 140.793,33.029 140.793,31.749 141.072,31.47 141.631,31.47 141.911,31.749 141.911,33.029 142.325,33.442 143.073,33.442 143.487,33.029 143.487,31.749 143.766,31.47 144.325,31.47 144.605,31.749 144.605,33.029 145.019,33.442 145.767,33.442 146.181,33.029 146.181,31.749 146.46,31.47 147.019,31.47 147.299,31.749 147.299,32.865 147.713,33.279 147.926,33.279 151.67,33.279 154.506,33.279 154.919,32.865 154.919,31.272 155.199,30.993 155.758,30.993 156.037,31.272 156.037,32.952 156.451,33.365 157.2,33.365 157.613,32.952 157.613,31.272 157.893,30.993 158.452,30.993 158.731,31.272 158.731,32.952 159.145,33.365 159.894,33.365 160.307,32.952 160.307,31.272 160.587,30.993 161.146,30.993 161.425,31.272 161.425,32.952 161.839,33.365 162.588,33.365 163.001,32.952 163.001,31.272 163.281,30.993 163.84,30.993 164.119,31.272 164.119,32.865 164.533,33.279 164.746,33.279 165.906,33.279 166.54,32.645 166.54,32.241 166.852,31.929 v1(166.852,31.89)
  L8 w0.12: J11_Slot5.I4@157.72,21.75 157.155,22.315 157.155,22.459 157.327,22.631 163.059,22.631 163.159,22.631 164.34,21.45 164.34,19.68 165.54,18.48 172.852,18.48 173.71,19.338 173.71,24.17 172.324,25.556 172.324,27.658 170.932,29.05 168.82,29.05 166.561,31.309 166.561,31.505 166.852,31.796 v1(166.852,31.89)
5_DIFF_4_P: J3.D7 J11_Slot5.H4 | length 245.7
  L4 w0.102: J3.D7@-1.58,56.75 -0.994,56.165 -0.994,55.83 -0.785,55.621 10.336,55.621 18.327,47.629 27.161,38.796 57.653,38.796 58.729,37.72 59.958,36.491 102.94,36.491 104.737,38.288 107.358,38.288 111.596,34.05 111.758,33.888 112.596,33.05 137.247,33.05 137.59,33.05 137.87,32.771 137.87,31.655 138.284,31.241 139.032,31.241 139.446,31.655 139.446,32.934 139.725,33.213 140.284,33.213 140.564,32.934 140.564,31.655 140.978,31.241 141.726,31.241 142.14,31.655 142.14,32.934 142.419,33.213 142.978,33.213 143.258,32.934 143.258,31.655 143.672,31.241 144.42,31.241 144.834,31.655 144.834,32.934 145.113,33.213 145.672,33.213 145.952,32.934 145.952,31.655 146.366,31.241 147.114,31.241 147.528,31.655 147.528,32.771 147.807,33.05 147.926,33.05 151.67,33.05 154.411,33.05 154.69,32.771 154.69,31.178 155.104,30.764 155.853,30.764 156.266,31.178 156.266,32.857 156.546,33.136 157.105,33.136 157.384,32.857 157.384,31.178 157.798,30.764 158.547,30.764 158.96,31.178 158.96,32.857 159.24,33.136 159.799,33.136 160.078,32.857 160.078,31.178 160.492,30.764 161.241,30.764 161.654,31.178 161.654,32.857 161.934,33.136 162.493,33.136 162.772,32.857 162.772,31.178 163.186,30.764 163.935,30.764 164.348,31.178 164.348,32.771 164.628,33.05 164.746,33.05 165.811,33.05 166.311,32.55 166.311,32.241 166,31.929 v1(166,31.89)
  L8 w0.12: J11_Slot5.H4@156.32,21.75 156.885,22.315 156.885,22.571 157.215,22.901 163.059,22.901 163.27,22.901 164.61,21.561 164.61,19.792 165.652,18.75 172.74,18.75 173.44,19.45 173.44,24.058 172.054,25.444 172.054,27.546 170.82,28.78 168.708,28.78 166.291,31.198 166.291,31.505 166,31.796 v1(166,31.89)
5_DIFF_5_N: J4.H5 J11_Slot5.K5 | length 247.5
  L8 w0.12: J11_Slot5.K5@160.62,23.75 160.423,23.75 160.055,24.118 160.055,24.217 160.318,24.48 168.39,24.48 170.066,26.156 170.477,26.156 v1(170.544,26.223)
  L10 w0.102: J4.H5@4.02,71.75 3.759,71.75 3.435,71.426 3.435,70.916 3.525,70.826 11.05,70.826 21.49,81.266 165.924,81.266 169.14,78.05 170.992,76.198 170.992,43.662 171.525,43.129 171.608,43.046 172.145,42.51 ccw(c172.45,42.815) 172.756,42.51 173.038,42.792 cw(c173.506,42.325) 173.973,42.792 cw(c173.506,42.325) 173.973,41.857 172.132,40.017 ccw(c172.437,39.71) 172.131,39.405 ; v1(170.544,26.223) 170.572,26.25 170.572,26.691 175.749,31.868 175.749,38.905 174.58,40.074 174.497,40.157 174.463,40.191 ; 172.132,39.405 ccw(c172.437,39.71) 172.742,39.405 ; 172.743,39.405 173.529,40.191 cw(c173.996,39.724) 174.427,40.224 174.43,40.224 174.463,40.192
5_DIFF_5_P: J4.G5 J11_Slot5.J5 | length 247.5
  L8 w0.12: J11_Slot5.J5@159.22,23.75 159.417,23.75 159.785,24.118 159.785,24.329 160.206,24.75 168.278,24.75 169.875,26.347 169.875,26.758 v1(169.942,26.825)
  L10 w0.102: J4.G5@2.62,71.75 2.881,71.75 3.205,71.426 3.205,70.822 3.43,70.597 11.145,70.597 21.585,81.037 165.83,81.037 168.911,77.955 170.763,76.103 170.763,43.567 171.363,42.967 171.447,42.884 171.983,42.348 ccw(c172.45,42.815) 172.918,42.348 173.2,42.63 cw(c173.506,42.325) 173.811,42.63 cw(c173.506,42.325) 173.811,42.019 171.97,40.178 ccw(c172.437,39.71) 171.97,39.243 ccw(c172.437,39.71) 172.868,39.209 172.871,39.209 173.69,40.029 cw(c173.996,39.724) 174.302,40.028 174.335,39.995 174.418,39.912 175.52,38.81 175.52,31.963 170.41,26.853 169.969,26.853 v1(169.942,26.825)
5_DIFF_6_N: J4.K5 J11_Slot5.H5 | length 245
  L4 w0.102: J4.K5@8.22,71.75 7.962,71.75 7.635,71.423 7.635,71.152 7.634,70.936 7.694,70.877 12.39,70.877 22.877,81.364 167.75,81.364 167.925,81.189 167.976,81.138 171.761,81.138 172.175,80.724 172.175,79.976 171.761,79.562 166.834,79.562 166.555,79.283 166.555,78.724 166.834,78.444 168.009,78.444 168.422,78.03 168.422,77.542 168.422,76.461 v1(168.734,76.15)
  L10 w0.102: v1(168.734,76.15) 168.734,76.11 168.422,75.799 168.422,51.181 169.279,50.325 169.279,44.261 169.279,40.316 169.59,40.004 v1(169.59,39.965)
  L12 w0.102: J11_Slot5.H5@156.42,23.75 156.159,23.75 155.835,24.074 155.835,24.355 156.103,24.623 163.158,24.623 164.815,26.281 164.815,31.845 168.088,35.118 168.151,35.118 169.279,36.246 169.279,39.614 169.59,39.926 v1(169.59,39.965)
5_DIFF_6_P: J4.J5 J11_Slot5.G5 | length 245
  L4 w0.102: J4.J5@6.82,71.75 7.078,71.75 7.406,71.423 7.406,71.247 7.405,70.841 7.599,70.648 12.485,70.648 22.972,81.135 166.275,81.135 167.655,81.135 167.881,80.909 171.666,80.909 171.946,80.63 171.946,80.071 171.666,79.791 166.74,79.791 166.326,79.377 166.326,78.629 166.74,78.215 167.914,78.215 168.193,77.936 168.193,77.542 168.193,76.461 v1(167.882,76.15)
  L10 w0.102: v1(167.882,76.15) 167.882,76.11 168.193,75.799 168.193,51.086 169.05,50.23 169.05,40.316 168.738,40.004 v1(168.738,39.965)
  L12 w0.102: J11_Slot5.G5@155.02,23.75 155.281,23.75 155.606,24.074 155.606,24.45 156.008,24.852 163.063,24.852 164.586,26.375 164.586,31.94 167.994,35.347 168.057,35.347 169.05,36.341 169.05,39.614 168.738,39.926 v1(168.738,39.965)
5_DIFF_7_N: J4.C6 J11_Slot5.F6 | length 245.4
  L12 w0.102: v1(144.876,79.614) 144.848,79.586 144.408,79.586 143.851,79.03 143.851,43.163 152.934,34.079 152.934,26.335 J11_Slot5.F6@153.52,25.75
  L6 w0.102: J4.C6@-3.08,73.75 -3.341,73.75 -3.665,74.074 -3.665,74.571 -3.575,74.661 10.885,74.661 11.197,74.973 11.485,75.261 cw(c11.61,75.135) 11.736,75.261 ccw(c11.862,75.387) 11.988,75.261 ccw(c11.862,75.387) 11.988,75.513 cw(c12.114,75.639) 11.988,75.764 12.247,76.023 24.945,88.721 84.168,88.721 85.649,88.721 86.063,89.135 86.063,89.483 86.342,89.762 86.901,89.762 87.181,89.483 87.181,87.504 87.594,87.091 88.343,87.091 88.757,87.504 88.757,89.483 89.036,89.762 89.595,89.762 89.875,89.483 89.875,87.504 90.288,87.091 91.037,87.091 91.451,87.504 91.451,89.483 91.73,89.762 92.289,89.762 92.569,89.483 92.569,87.504 92.982,87.091 93.731,87.091 94.145,87.504 94.145,89.483 94.424,89.762 94.983,89.762 95.263,89.483 95.263,87.504 95.676,87.091 96.425,87.091 96.839,87.504 96.839,89.483 97.118,89.762 97.677,89.762 97.957,89.483 97.957,87.504 98.37,87.091 99.119,87.091 99.533,87.504 99.533,89.483 99.812,89.762 100.371,89.762 100.651,89.483 100.651,87.504 101.064,87.091 101.813,87.091 102.227,87.504 102.227,88.442 102.506,88.721 102.624,88.721 132.906,88.721 142.343,79.284 144.105,79.284 144.408,79.586 144.848,79.586 v1(144.876,79.614)
5_DIFF_7_P: J4.B6 J11_Slot5.E6 | length 245.4
  L12 w0.102: v1(144.274,80.217) 144.246,80.189 144.246,79.748 143.622,79.124 143.622,43.068 152.706,33.984 152.706,26.335 J11_Slot5.E6@152.12,25.75
  L6 w0.102: J4.B6@-4.48,73.75 -4.219,73.75 -3.894,74.074 -3.894,74.666 -3.67,74.89 10.79,74.89 24.85,88.95 84.168,88.95 85.554,88.95 85.834,89.229 85.834,89.577 86.247,89.991 86.996,89.991 87.41,89.577 87.41,87.599 87.689,87.32 88.248,87.32 88.528,87.599 88.528,89.577 88.941,89.991 89.69,89.991 90.104,89.577 90.104,87.599 90.383,87.32 90.942,87.32 91.222,87.599 91.222,89.577 91.635,89.991 92.384,89.991 92.798,89.577 92.798,87.599 93.077,87.32 93.636,87.32 93.916,87.599 93.916,89.577 94.329,89.991 95.078,89.991 95.492,89.577 95.492,87.599 95.771,87.32 96.33,87.32 96.61,87.599 96.61,89.577 97.023,89.991 97.772,89.991 98.186,89.577 98.186,87.599 98.465,87.32 99.024,87.32 99.304,87.599 99.304,89.577 99.717,89.991 100.466,89.991 100.88,89.577 100.88,87.599 101.159,87.32 101.718,87.32 101.998,87.599 101.998,88.536 102.411,88.95 102.624,88.95 133,88.95 142.438,79.513 144.01,79.513 144.246,79.748 144.246,80.189 v1(144.274,80.217)
5_DIFF_8_N: J4.F6 J11_Slot5.C6 | length 244.4
  L2 w0.102: J4.F6@1.12,73.75 0.534,73.164 0.534,73.027 0.702,72.859 12.234,72.859 16.074,72.859 22.347,79.132 72.518,79.132 79.749,79.132 cw(c79.749,78.471) 80.409,78.471 80.409,77.067 ccw(c80.841,77.067) 80.841,76.635 ccw(c80.841,77.067) 81.273,77.067 81.273,78.471 cw(c81.934,78.471) 81.934,79.132 82.1,79.132 137.732,79.132 142.152,74.712 142.152,69.221 142.463,68.909 v1(142.463,68.87)
  L12 w0.102: v1(142.463,68.87) 142.463,68.831 142.152,68.519 142.152,37.095 142.46,36.787 143.135,36.112 143.135,35.527 140.455,32.847 140.455,32.452 140.85,32.056 141.246,32.056 146.869,37.68 147.454,37.68 147.984,37.151 147.984,36.566 142.36,30.942 142.36,30.547 142.755,30.151 143.151,30.151 148.774,35.775 149.359,35.775 149.889,35.246 149.889,34.661 144.265,29.037 144.265,28.642 144.66,28.246 145.055,28.246 147.735,30.926 148.32,30.926 148.471,30.776 148.734,30.512 148.734,28.687 148.735,26.335 J11_Slot5.C6@149.32,25.75
5_DIFF_8_P: J4.E6 J11_Slot5.B6 | length 244.4
  L2 w0.102: J4.E6@-0.28,73.75 0.306,73.164 0.306,72.932 0.608,72.63 16.169,72.63 22.442,78.903 72.518,78.903 79.749,78.903 cw(c79.749,78.471) 80.181,78.471 80.181,77.067 ccw(c80.841,77.067) 80.841,76.406 ccw(c80.841,77.067) 81.502,77.067 81.502,78.471 cw(c81.934,78.471) 81.934,78.903 82.1,78.903 137.637,78.903 141.923,74.618 141.923,69.221 141.611,68.909 v1(141.611,68.87)
  L12 w0.102: v1(141.611,68.87) 141.611,68.831 141.923,68.519 141.923,37 142.298,36.625 142.906,36.017 142.906,35.622 140.226,32.942 140.226,32.357 140.755,31.827 141.34,31.827 146.964,37.451 147.36,37.451 147.755,37.056 147.755,36.661 142.131,31.037 142.131,30.452 142.66,29.922 143.245,29.922 148.869,35.546 149.265,35.546 149.66,35.151 149.66,34.756 144.036,29.132 144.036,28.547 144.565,28.017 145.15,28.017 147.83,30.697 148.225,30.697 148.309,30.614 148.505,30.417 148.505,26.335 J11_Slot5.B6@147.92,25.75
5_DIFF_9_N: J4.I6 J11_Slot5.L6 | length 247.6
  L8 w0.12: J11_Slot5.L6@161.92,25.75 161.355,26.315 161.355,27.234 162.047,27.925 162.67,27.925 163.104,27.925 cw(c163.104,27.738) 163.291,27.738 163.291,27.604 ccw(c163.478,27.604) 163.665,27.604 163.665,27.738 cw(c163.852,27.738) 164.039,27.738 164.039,27.604 ccw(c164.226,27.604) 164.413,27.604 164.413,27.738 cw(c164.6,27.738) 164.787,27.738 164.787,27.604 ccw(c164.974,27.604) 165.161,27.604 165.161,27.738 cw(c165.348,27.738) 165.348,27.925 165.82,27.925 166.542,27.925 167.208,27.258 167.208,26.864 166.898,26.553 166.669,26.553 166.378,26.845 v1(166.284,26.845)
  L10 w0.102: J4.I6@5.32,73.75 4.734,74.336 4.734,74.461 4.893,74.62 10.32,74.62 10.59,74.62 10.727,74.62 cw(c10.727,74.442) 10.905,74.442 10.905,74.383 ccw(c11.083,74.383) 11.083,74.205 ccw(c11.083,74.383) 11.261,74.383 11.261,74.442 cw(c11.439,74.442) 11.439,74.62 11.921,74.62 11.942,74.62 19.806,82.484 166.482,82.484 171.763,77.203 171.763,67.313 173.121,65.955 173.121,57.186 173.121,45.127 173.188,45.06 176.611,41.637 176.611,31.182 172.6,27.171 172.6,26.424 171.587,25.411 168.771,25.411 167.531,26.651 166.653,26.651 166.46,26.845 v1(166.284,26.845)
5_DIFF_9_P: J4.H6 J11_Slot5.K6 | length 247.5
  L8 w0.12: J11_Slot5.K6@160.52,25.75 161.085,26.315 161.085,27.345 161.935,28.195 166.653,28.195 167.478,27.37 167.478,26.752 167.01,26.284 166.669,26.284 166.378,25.993 v1(166.284,25.993)
  L10 w0.102: J4.H6@3.92,73.75 4.506,74.336 4.506,74.556 4.799,74.849 11.847,74.849 19.711,82.713 166.577,82.713 171.992,77.298 171.992,67.408 173.35,66.05 173.35,57.186 173.35,45.222 175.239,43.333 176.84,41.732 176.84,31.087 172.829,27.076 172.829,26.329 171.682,25.182 168.676,25.182 167.436,26.422 166.713,26.422 v1(166.284,25.993)
5_DIFF_10_N: J4.L6 J11_Slot5.I6 | length 245.3
  L10 w0.102: v1(148.72,80.29) 148.72,80.279 149.02,79.979 162.891,79.979 164.92,77.95 166.849,76.021 166.849,51.682 165.008,49.842 165.008,39.301 165.32,38.989 v1(165.32,38.95)
  L12 w0.102: J11_Slot5.I6@157.72,25.75 157.134,26.335 157.134,30.546 165.008,38.42 165.008,38.599 165.32,38.911 v1(165.32,38.95)
  L6 w0.102: J4.L6@9.52,73.75 9.259,73.75 8.935,73.426 8.935,73.019 8.994,72.959 12.396,72.959 24.716,85.279 55.826,85.279 55.945,85.279 56.224,85.558 56.224,86.715 56.638,87.129 57.386,87.129 57.8,86.715 57.8,83.991 58.08,83.712 58.639,83.712 58.918,83.991 58.918,86.715 59.332,87.129 60.08,87.129 60.494,86.715 60.494,83.991 60.774,83.712 61.333,83.712 61.612,83.991 61.612,86.715 62.026,87.129 62.774,87.129 63.188,86.715 63.188,83.991 63.468,83.712 64.027,83.712 64.306,83.991 64.306,86.715 64.72,87.129 65.468,87.129 65.882,86.715 65.882,85.558 66.162,85.279 67.594,85.279 132.906,85.279 139.79,78.395 145.137,78.395 146.721,79.979 148.369,79.979 148.681,80.29 v1(148.72,80.29)
5_DIFF_10_P: J4.K6 J11_Slot5.H6 | length 245.3
  L10 w0.102: v1(148.72,79.438) 148.72,79.45 149.02,79.75 162.796,79.75 164.825,77.721 166.62,75.926 166.62,51.777 164.78,49.937 164.78,39.301 164.468,38.989 v1(164.468,38.95)
  L12 w0.102: J11_Slot5.H6@156.32,25.75 156.906,26.335 156.906,30.641 164.78,38.515 164.78,38.599 164.468,38.911 v1(164.468,38.95)
  L6 w0.102: J4.K6@8.12,73.75 8.381,73.75 8.706,73.426 8.706,72.924 8.899,72.73 12.491,72.73 24.811,85.05 55.826,85.05 56.039,85.05 56.453,85.464 56.453,86.62 56.733,86.9 57.292,86.9 57.571,86.62 57.571,83.897 57.985,83.483 58.733,83.483 59.147,83.897 59.147,86.62 59.427,86.9 59.986,86.9 60.265,86.62 60.265,83.897 60.679,83.483 61.427,83.483 61.841,83.897 61.841,86.62 62.121,86.9 62.68,86.9 62.959,86.62 62.959,83.897 63.373,83.483 64.121,83.483 64.535,83.897 64.535,86.62 64.815,86.9 65.374,86.9 65.653,86.62 65.653,85.464 66.067,85.05 67.594,85.05 132.811,85.05 139.695,78.166 145.231,78.166 146.815,79.75 148.369,79.75 148.681,79.438 v1(148.72,79.438)
5_DIFF_11_N: J6.B5 J16_Slot5.E1 | length 247.8
  L10 w0.102: J6.B5@-4.38,100.75 -4.965,100.165 -4.965,100.08 -4.793,99.907 15.407,99.907 17.388,101.888 75.161,101.888 76.782,101.888 ccw(c76.782,102.32) 77.214,102.32 77.214,102.391 cw(c77.875,102.391) 77.875,103.052 cw(c77.875,102.391) 78.536,102.391 78.536,102.068 ccw(c78.968,102.068) 78.968,101.636 ccw(c78.968,102.068) 79.4,102.068 79.4,102.41 cw(c80.061,102.41) 80.061,103.071 cw(c80.061,102.41) 80.722,102.41 80.722,102.32 ccw(c81.154,102.32) 81.154,101.888 82.413,101.888 131.647,101.888 132.924,101.888 133.203,102.168 133.203,102.41 133.617,102.823 134.365,102.823 134.779,102.41 134.779,92.808 135.059,92.529 135.618,92.529 135.897,92.808 135.897,102.41 136.311,102.823 137.059,102.823 137.473,102.41 137.473,92.808 137.753,92.529 138.312,92.529 138.591,92.808 138.591,102.41 139.005,102.823 139.753,102.823 140.167,102.41 140.167,92.808 140.447,92.529 141.006,92.529 141.285,92.808 141.285,102.41 141.699,102.823 142.447,102.823 142.861,102.41 142.861,92.808 143.141,92.529 143.7,92.529 143.979,92.808 143.979,100.823 144.393,101.236 144.978,101.236 145.096,101.118 145.269,100.945 145.269,94.391 145.786,93.874 151.299,93.874 151.634,93.538 151.634,93.336 J16_Slot5.E1@152.22,92.75
5_DIFF_11_P: J6.A5 J16_Slot5.D1 | length 247.8
  L10 w0.102: J6.A5@-5.78,100.75 -5.195,100.165 -5.195,99.985 -4.888,99.678 15.502,99.678 17.483,101.659 75.161,101.659 76.782,101.659 ccw(c76.782,102.32) 77.443,102.32 77.443,102.391 cw(c77.875,102.391) 77.875,102.823 cw(c77.875,102.391) 78.307,102.391 78.307,102.068 ccw(c78.968,102.068) 78.968,101.407 ccw(c78.968,102.068) 79.629,102.068 79.629,102.41 cw(c80.061,102.41) 80.061,102.842 cw(c80.061,102.41) 80.493,102.41 80.493,102.32 ccw(c81.154,102.32) 81.154,101.659 82.413,101.659 131.647,101.659 133.018,101.659 133.432,102.073 133.432,102.315 133.712,102.594 134.271,102.594 134.55,102.315 134.55,92.713 134.964,92.3 135.712,92.3 136.126,92.713 136.126,102.315 136.406,102.594 136.965,102.594 137.244,102.315 137.244,92.713 137.658,92.3 138.406,92.3 138.82,92.713 138.82,102.315 139.1,102.594 139.659,102.594 139.938,102.315 139.938,92.713 140.352,92.3 141.1,92.3 141.514,92.713 141.514,102.315 141.794,102.594 142.353,102.594 142.632,102.315 142.632,92.713 143.046,92.3 143.794,92.3 144.208,92.713 144.208,100.728 144.488,101.007 144.883,101.007 145.04,100.85 145.04,94.296 145.096,94.24 145.691,93.645 151.204,93.645 151.406,93.443 151.406,93.336 J16_Slot5.D1@150.82,92.75
5_DIFF_12_N: J6.E5 J16_Slot5.B1 | length 247.7
  L4 w0.102: J6.E5@-0.18,100.75 -0.766,100.165 -0.766,100.066 -0.618,99.919 15.568,99.919 17.549,101.9 133.168,101.9 133.381,101.9 133.519,101.9 133.869,101.55 133.869,93.108 134.085,92.892 134.517,92.892 134.733,93.108 134.733,101.883 135.083,102.233 135.705,102.233 136.055,101.883 136.055,93.108 136.271,92.892 136.703,92.892 136.919,93.108 136.919,101.883 137.269,102.233 137.891,102.233 138.241,101.883 138.241,93.108 138.457,92.892 138.889,92.892 139.105,93.108 139.105,101.883 139.455,102.233 140.077,102.233 140.427,101.883 140.427,93.108 140.643,92.892 141.075,92.892 141.291,93.108 141.291,101.883 141.641,102.233 142.263,102.233 142.613,101.883 142.613,93.108 142.829,92.892 143.261,92.892 143.477,93.108 143.477,101.55 143.827,101.9 144.04,101.9 144.314,101.9 144.969,101.245 144.969,94.768 145.863,93.874 147.108,93.874 147.435,93.547 147.435,93.336 J16_Slot5.B1@148.02,92.75

## Text inside footprints (layer, text, board x,y; h text height)
J24_Slot8: Drill Drawing "Diam. 0.5mm +/-0.05" at 237.612,79.75 h1; Drill Drawing "PRESS-FIT TECHNOLOGY" at 236.731,81.25 h1; Bottom Overlay "8" at 256.26,77.4 h1 r270; Bottom Overlay "7" at 256.26,75.4 h1 r270; Bottom Overlay "6" at 256.26,73.4 h1 r270; Bottom Overlay "5" at 256.26,71.4 h1 r270; Bottom Overlay "4" at 256.26,69.4 h1 r270; Bottom Overlay "3" at 256.26,67.4 h1 r270; Bottom Overlay "2" at 256.26,65.4 h1 r270; Bottom Overlay "1" at 256.26,63.4 h1 r270; Mechanical 14 "8" at 256.26,77.4 h1 r270; Mechanical 14 "7" at 256.26,75.4 h1 r270; Mechanical 14 "6" at 256.26,73.4 h1 r270; Mechanical 14 "5" at 256.26,71.4 h1 r270; Mechanical 14 "4" at 256.26,69.4 h1 r270; Mechanical 14 "3" at 256.26,67.4 h1 r270; Mechanical 14 "2" at 256.26,65.4 h1 r270; Mechanical 14 "1" at 256.26,63.4 h1 r270; Mechanical 14 "L" at 252.96,61.55 h1 r270; Mechanical 14 "L" at 252.96,61.55 h1 r270; Mechanical 14 "K" at 251.56,61.55 h1 r270; Mechanical 14 "K" at 251.56,61.55 h1 r270; Mechanical 14 "J" at 250.16,61.55 h1 r270; Mechanical 14 "J" at 250.16,61.55 h1 r270; Mechanical 14 "I" at 248.76,61.8 h1 r270; Mechanical 14 "I" at 248.76,61.8 h1 r270; Mechanical 14 "H" at 247.36,61.55 h1 r270; Mechanical 14 "H" at 247.36,61.55 h1 r270; Mechanical 14 "G" at 245.96,61.55 h1 r270; Mechanical 14 "G" at 245.96,61.55 h1 r270; Mechanical 14 "F" at 244.56,61.55 h1 r270; Mechanical 14 "F" at 244.56,61.55 h1 r270; Mechanical 14 "E" at 243.16,61.55 h1 r270; Mechanical 14 "E" at 243.16,61.55 h1 r270; Mechanical 14 "C" at 240.36,61.55 h1 r270; Mechanical 14 "D" at 241.76,61.55 h1 r270; Mechanical 14 "D" at 241.76,61.55 h1 r270; Mechanical 14 "C" at 240.36,61.55 h1 r270; Mechanical 14 "B" at 238.96,61.55 h1 r270; Mechanical 14 "B" at 238.96,61.55 h1 r270; Mechanical 14 "A" at 237.56,61.55 h1 r270; Mechanical 14 "A" at 237.56,61.55 h1 r270